# Altium PCB Kojiki.PcbDoc (part 1 of 2) (continued)
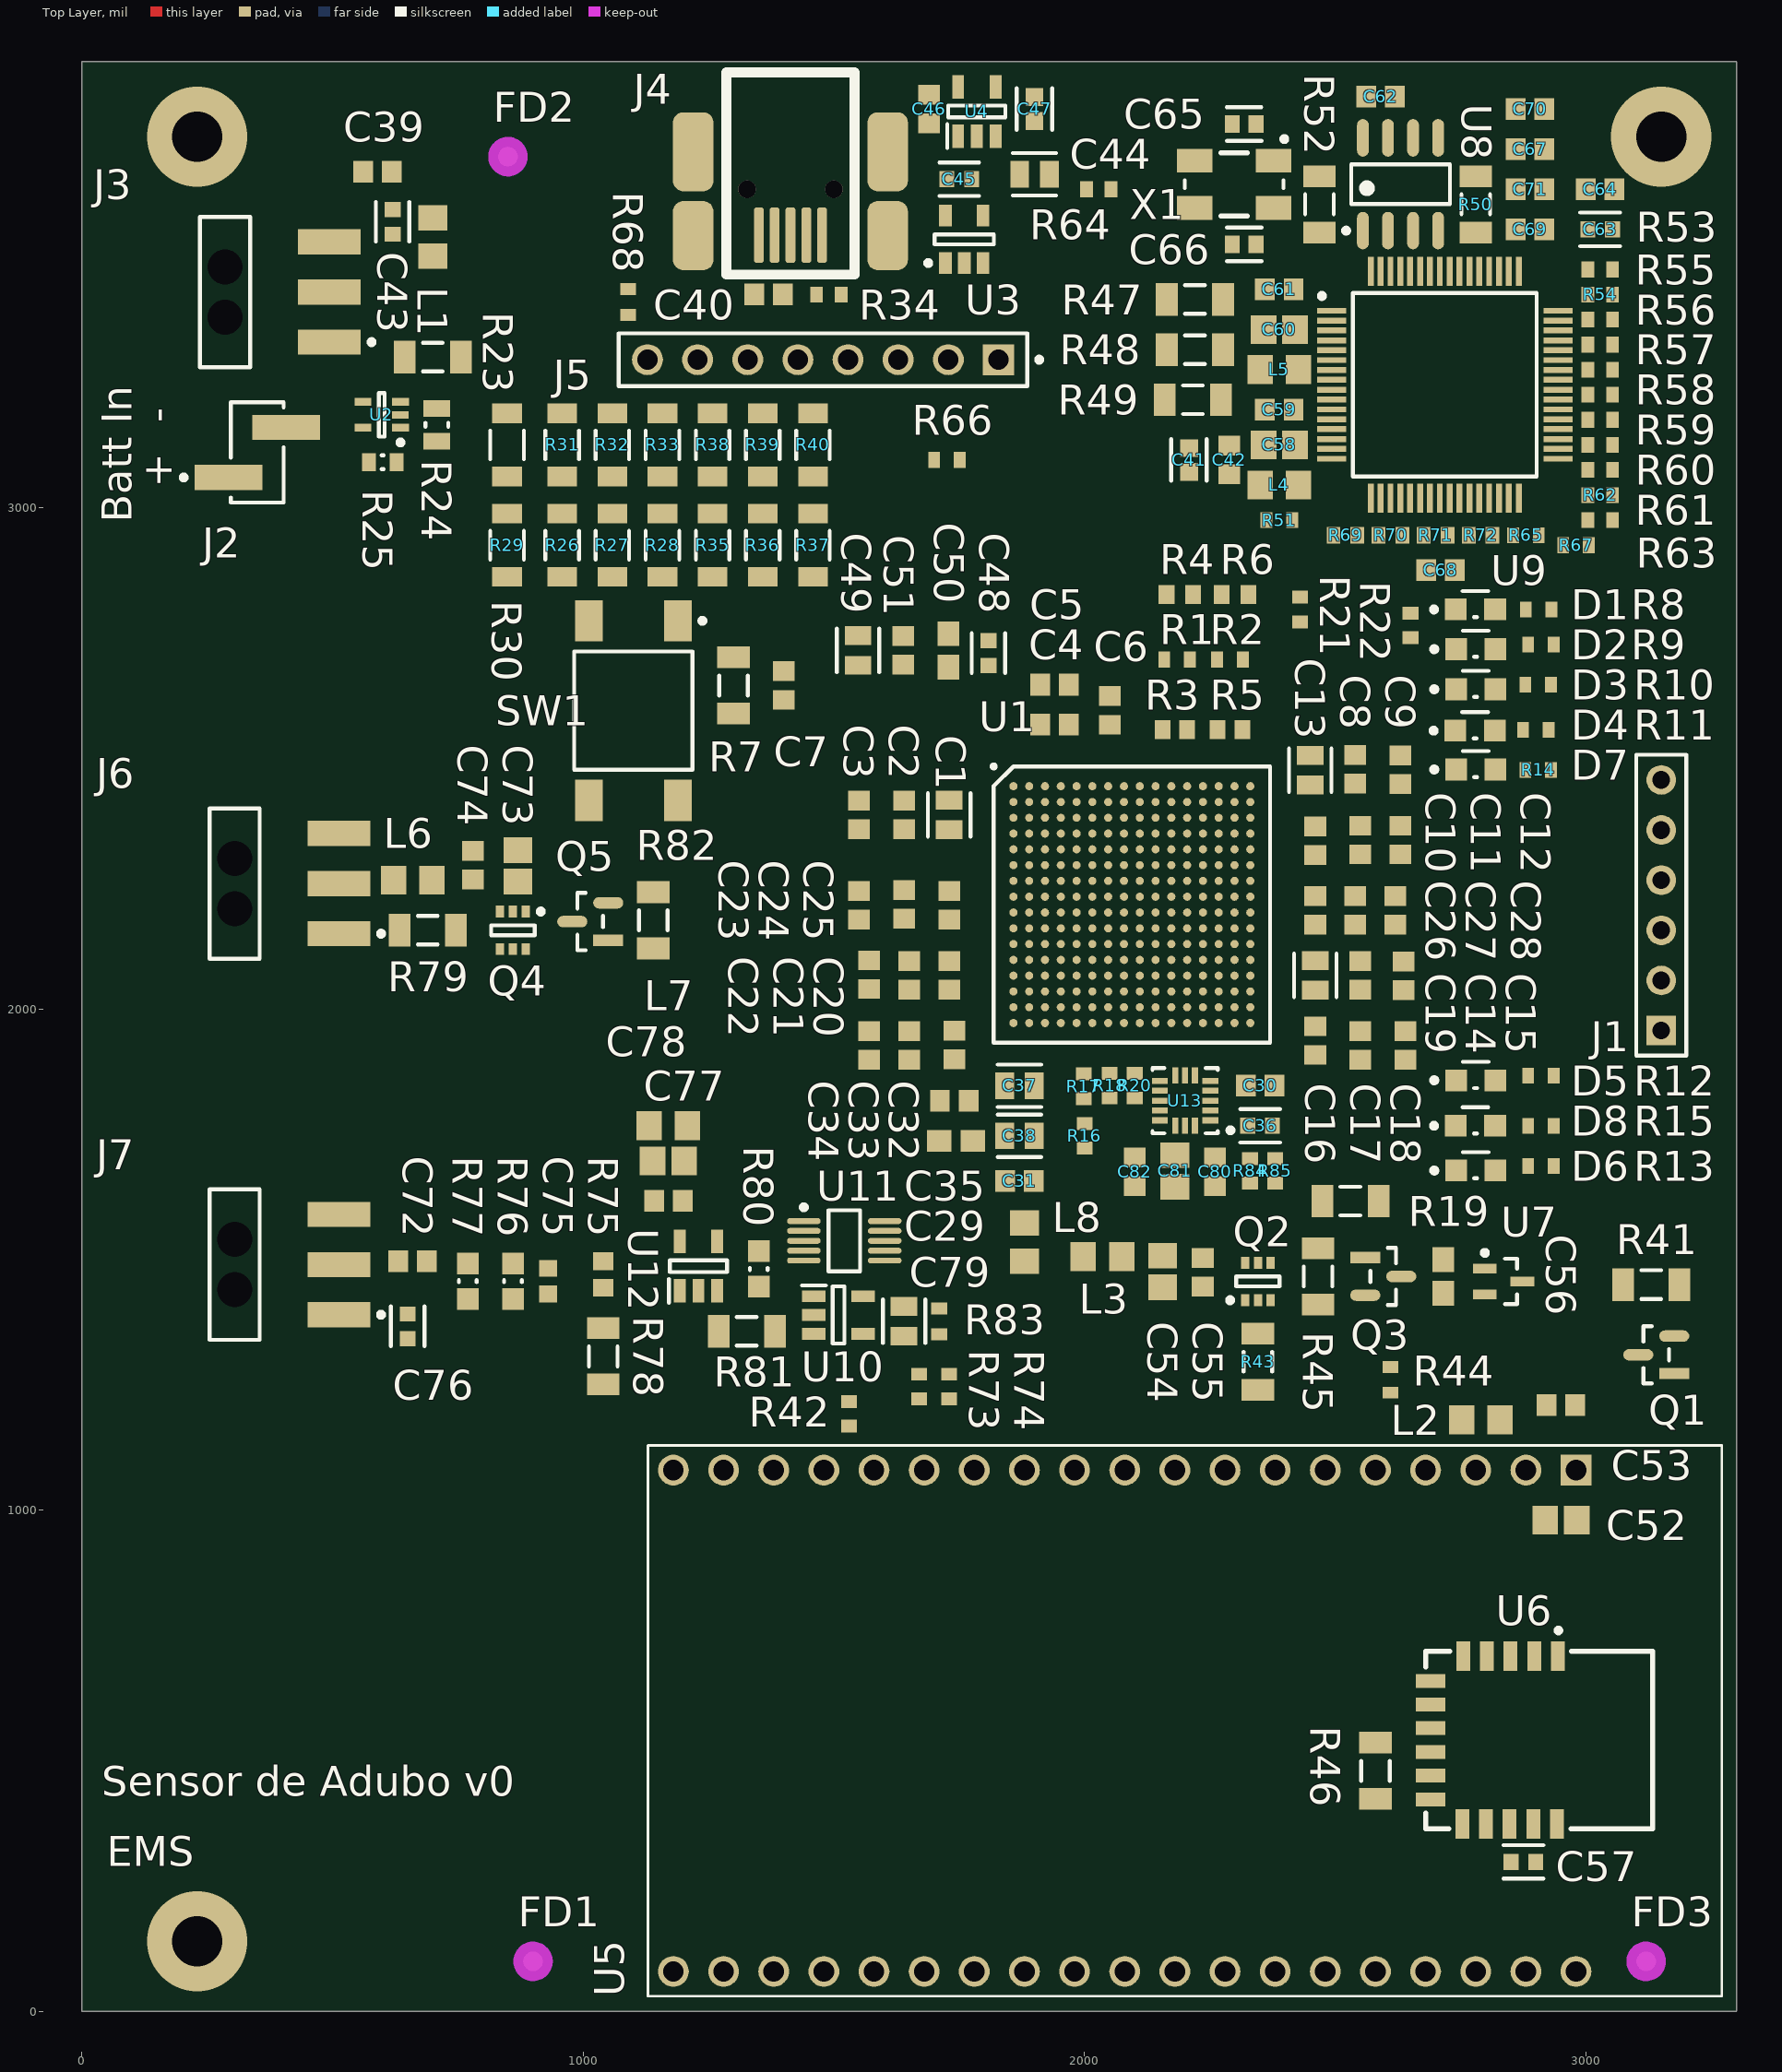
[diagram p0: Top Layer view]
## Classes and differential pairs
differential pair class USB: D
component class usb2jtag: C58 C59 C60 C61 C62 C63 C64 C65 C66 C67 C68 C69 C70 C71 J5 L4 L5 R47 R48 R49 R50 R51 R52 R53 R54 R55 R56 R57 R58 R59 R60 R61 R62 R63 R64 R65 R66 R67 R68 R69 R70 R71 R72 U8 U9 X1
component class Power_Decap: C29 C30 C31 C32 C33 C34 C35 C36 C37 C38
component class DC-DC-Converters: C39 C40 C41 C42 C43 C44 C45 C46 C47 C48 C49 C50 C51 J2 J3 J4 L1 R23 R24 R25 R26 R27 R28 R29 R30 R31 R32 R33 R34 R35 R36 R37 R38 R39 R40 TP30 TP31 TP32 TP33 TP34 TP35 TP36 TP37 TP38 TP39 U2 U3 U4
component class bluetooth: C52 C53 C54 C55 C56 C57 L2 L3 Q1 Q2 Q3 R41 R42 R43 R44 R45 R46 U5 U6 U7
component class Bank3-4-5_I_O: C20 C21 C22 C23 C24 C25 C26 C27 C28
component class Bank2_I_O: C14 C15 C16 C17 C18 C19 J1 R16 R17 R18 R19 R20 R21 R22 TP27 TP28 TP29
component class Bank1_I_O: C8 C9 C10 C11 C12 C13 D1 D2 D3 D4 D5 D6 D7 D8 R8 R9 R10 R11 R12 R13 R14 R15
component class Bank0_I_O: C1 C2 C3 C4 C5 C6 C7 R1 R2 R3 R4 R5 R6 R7 SW1 U1
component class analog_front_end: C72 C73 C74 C75 C76 C77 C78 C79 FD1 FD2 FD3 J6 J7 L6 L7 Q4 Q5 R73 R74 R75 R76 R77 R78 R79 R80 R81 R82 R83 U10 U11 U12
component class Accelerometer: C80 C81 C82 L8 R84 R85 U13
differential pair D: +D_P -D_N

## Components (designator, comment, footprint, x,y, rotation, side; value= is the part's Value field where it differs from the comment)
C1 "C0805C103K5RACAUTO" FP-C0805C-DN-MFG 1730,2386.77 r270 top value=10nF
C2 "C0603C104M4RACTU" CAPC1608X87X35ML15T15 1640,2386.77 r270 top value=0.1uF
C3 "C0603C104M4RACTU" CAPC1608X87X35ML15T15 1550,2386.77 r270 top value=0.1uF
C4 "C0603C104M4RACTU" CAPC1608X87X35ML15T15 1940,2566.77 r180 top value=0.1uF
C5 "C0603C104M4RACTU" CAPC1608X87X35ML15T15 1940,2646.77 r180 top value=0.1uF
C6 "C0603C104M4RACTU" CAPC1608X87X35ML15T15 2050,2595.31 r90 top value=0.1uF
C7 "C0603C104M4RACTU" CAPC1608X87X35ML15T15 1400,2645 r270 top value=0.1uF
C8 "C0603C104M4RACTU" CAPC1608X87X35ML15T15 2540,2478.23 r90 top value=0.1uF
C9 "C0603C104M4RACTU" CAPC1608X87X35ML15T15 2630,2476.77 r90 top value=0.1uF
C10 "C0603C104M4RACTU" CAPC1608X87X35ML15T15 2460,2335.31 r90 top value=0.1uF
C11 "C0603C104M4RACTU" CAPC1608X87X35ML15T15 2550,2336.77 r90 top value=0.1uF
C12 "C0603C104M4RACTU" CAPC1608X87X35ML15T15 2630,2336.77 r90 top value=0.1uF
C13 "C0805C103K5RACAUTO" FP-C0805C-DN-MFG 2450,2476.3 r90 top value=10nF
C14 "C0603C104M4RACTU" CAPC1608X87X35ML15T15 2550,2066.77 r90 top value=0.1uF
C15 "C0603C104M4RACTU" CAPC1608X87X35ML15T15 2636.42,2066.19 r90 top value=0.1uF
C16 "C0603C104M4RACTU" CAPC1608X87X35ML15T15 2460,1936.77 r270 top value=0.1uF
C17 "C0603C104M4RACTU" CAPC1608X87X35ML15T15 2550,1926.77 r270 top value=0.1uF
C18 "C0603C104M4RACTU" CAPC1608X87X35ML15T15 2640,1926.77 r270 top value=0.1uF
C19 "C0805C103K5RACAUTO" FP-C0805C-DN-MFG 2460,2066.77 r90 top value=10nF
C20 "C0603C104M4RACTU" CAPC1608X87X35ML15T15 1730,2066.77 r270 top value=0.1uF
C21 "C0603C104M4RACTU" CAPC1608X87X35ML15T15 1650,2066.77 r270 top value=0.1uF
C22 "C0603C104M4RACTU" CAPC1608X87X35ML15T15 1570,2068.23 r270 top value=0.1uF
C23 "C0603C104M4RACTU" CAPC1608X87X35ML15T15 1730,2206.77 r270 top value=0.1uF
C24 "C0603C104M4RACTU" CAPC1608X87X35ML15T15 1640,2208.23 r270 top value=0.1uF
C25 "C0603C104M4RACTU" CAPC1608X87X35ML15T15 1550,2206.77 r270 top value=0.1uF
C26 "C0603C104M4RACTU" CAPC1608X87X35ML15T15 2460,2196.77 r270 top value=0.1uF
C27 "C0603C104M4RACTU" CAPC1608X87X35ML15T15 2540,2196.77 r270 top value=0.1uF
C28 "C0603C104M4RACTU" CAPC1608X87X35ML15T15 2620,2196.77 r270 top value=0.1uF
C29 "C0603C105K8RACTU" CAPC1608X90X35ML15T15 1743.46,1736.77 r0 top value=1uF
C30 "C0603C104M4RACTU" CAPC1608X87X35ML15T15 2350,1846.77 r0 top value=0.1uF
C31 "C0603C104M4RACTU" CAPC1608X87X35ML15T15 1870,1656.77 r0 top value=0.1uF
C32 "C0603C104M4RACTU" CAPC1608X87X35ML15T15 1740,1928.23 r270 top value=0.1uF
C33 "C0603C104M4RACTU" CAPC1608X87X35ML15T15 1650,1926.77 r270 top value=0.1uF
C34 "C0603C104M4RACTU" CAPC1608X87X35ML15T15 1570,1926.77 r270 top value=0.1uF
C35 "C0603C104M4RACTU" CAPC1608X87X35ML15T15 1740,1816.77 r180 top value=0.1uF
C36 "CL10A106MQ8NNNC" FP-CL10-IPC_C 2350,1766.77 r180 top value=10uF
C37 "C0805C103K5RACAUTO" FP-C0805C-DN-MFG 1870,1846.77 r0 top value=10nF
C38 "C0805C103K5RACAUTO" FP-C0805C-DN-MFG 1870,1746.77 r0 top value=10nF
C39 "C0603C104M4RACTU" CAPC1608X87X35ML15T15 590,3670 r180 top value=0.1uF
C40 "C0603C104M4RACTU" CAPC1608X87X35ML15T15 1370,3425 r0 top value=0.1uF
C41 "GRM188R61A226ME15D" FP-GRM188-0_2-IPC_C 2208.23,3095 r90 top value=22uF
C42 "C0603C104M4RACTU" CAPC1608X87X35ML15T15 2288.23,3095 r90 top value=0.1uF
C43 "CL10A106MQ8NNNC" FP-CL10-IPC_C 620,3570 r90 top value=10uF
C44 "C0805C103K5RACAUTO" FP-C0805C-DN-MFG 1900,3665 r0 top value=10nF
C45 "CL10A106MQ8NNNC" FP-CL10-IPC_C 1750,3655 r180 top value=10uF
C46 "C0603C104M4RACTU" CAPC1608X87X35ML15T15 1690,3795 r270 top value=0.1uF
C47 "GRM188R61A226ME15D" FP-GRM188-0_2-IPC_C 1900,3795 r270 top value=22uF
C48 "CL10A106MQ8NNNC" FP-CL10-IPC_C 1808.23,2709.68 r270 top value=10uF
C49 "C0805C103K5RACAUTO" FP-C0805C-DN-MFG 1548.23,2715 r90 top value=10nF
C50 "C0603C105K8RACTU" CAPC1608X90X35ML15T15 1728.23,2715 r270 top value=1uF
C51 "C0603C104M4RACTU" CAPC1608X87X35ML15T15 1638.23,2715 r90 top value=0.1uF
C52 "C0805C475K9PACTU" CAPC2013X145X50NL20T25 2950,980 r0 top value=4.7uF
C53 "C0603C104M4RACTU" CAPC1608X87X35ML15T15 2950,1210 r0 top value=0.1uF
C54 "C0805C475K9PACTU" CAPC2013X145X50NL20T25 2155.59,1476.26 r90 top value=4.7uF
C55 "C0603C104M4RACTU" CAPC1608X87X35ML15T15 2235.59,1474.8 r90 top value=0.1uF
C56 "C0603C105K8RACTU" CAPC1608X90X35ML15T15 2715.59,1466.26 r270 top value=1uF
C57 "CL10A106MQ8NNNC" FP-CL10-IPC_C 2875,298.54 r180 top value=10uF
C58 "C0805C475K9PACTU" CAPC2013X145X50NL20T25 2388.23,3125 r0 top value=4.7uF
C59 "C0603C104M4RACTU" CAPC1608X87X35ML15T15 2388.23,3195 r0 top value=0.1uF
C60 "C0805C475K9PACTU" CAPC2013X145X50NL20T25 2388.23,3355 r0 top value=4.7uF
C61 "C0603C104M4RACTU" CAPC1608X87X35ML15T15 2388.23,3435 r0 top value=0.1uF
C62 "C0603C104M4RACTU" CAPC1608X87X35ML15T15 2590,3820 r180 top value=0.1uF
C63 "CL10A106MQ8NNNC" FP-CL10-IPC_C 3028.23,3555 r0 top value=10uF
C64 "C0603C104M4RACTU" CAPC1608X87X35ML15T15 3028.23,3635 r180 top value=0.1uF
C65 "C0603C180J3GACAUTO" FP-C0603C-CF-MFG 2318.23,3765 r180 top value="18 pF"
C66 "C0603C180J3GACAUTO" FP-C0603C-CF-MFG 2318.23,3525 r0 top value="18 pF"
C67 "C0603C104M4RACTU" CAPC1608X87X35ML15T15 2888.23,3715 r180 top value=0.1uF
C68 "C0603C104M4RACTU" CAPC1608X87X35ML15T15 2710,2875 r180 top value=0.1uF
C69 "C0603C104M4RACTU" CAPC1608X87X35ML15T15 2888.23,3555 r180 top value=0.1uF
C70 "C0603C104M4RACTU" CAPC1608X87X35ML15T15 2888.23,3795 r180 top value=0.1uF
C71 "C0603C104M4RACTU" CAPC1608X87X35ML15T15 2888.23,3635 r180 top value=0.1uF
C72 "C0603C104M4RACTU" CAPC1608X87X35ML15T15 660,1496.77 r0 top value=0.1uF
C73 "C0805C475K9PACTU" CAPC2013X145X50NL20T25 870,2285.28 r270 top value=4.7uF
C74 "C0603C104M4RACTU" CAPC1608X87X35ML15T15 780,2286.77 r270 top value=0.1uF
C75 "06035C102KAT2A" CAPC1608X90X35LL15T15 930,1456.77 r270 top value=1nF
C76 "CL10A106MQ8NNNC" FP-CL10-IPC_C 650,1366.77 r90 top value=10uF
C77 "C0603C104M4RACTU" CAPC1608X87X35ML15T15 1170,1616.77 r0 top value=0.1uF
C78 "C0805C475K9PACTU" CAPC2013X145X50NL20T25 1170,1696.77 r0 top value=4.7uF
C79 "C0805C103K5RACAUTO" FP-C0805C-DN-MFG 1640,1376.77 r90 top value=10nF
C80 "C0603C104M4RACTU" CAPC1608X87X35ML15T15 2260,1675.31 r90 top value=0.1uF
C81 "C0805C475K9PACTU" CAPC2013X145X50NL20T25 2180,1676.77 r90 top value=4.7uF
C82 "C0603C104M4RACTU" CAPC1608X87X35ML15T15 2100,1675.31 r90 top value=0.1uF
D1 "LTST-S270KSKT" FP-LTST-S270KSKT-MFG 2779.37,2806.02 r0 top
D2 "LTST-S270KSKT" FP-LTST-S270KSKT-MFG 2780,2726.77 r0 top
D3 "LTST-S270KSKT" FP-LTST-S270KSKT-MFG 2780,2646.77 r0 top
D4 "LTST-S270KSKT" FP-LTST-S270KSKT-MFG 2778.69,2564.26 r0 top
D5 "LTST-S270KSKT" FP-LTST-S270KSKT-MFG 2780,1866.77 r0 top
D6 "LTST-S270KSKT" FP-LTST-S270KSKT-MFG 2780,1686.77 r0 top
D7 "LTST-S270KSKT" FP-LTST-S270KSKT-MFG 2780,2486.77 r0 top
D8 "LTST-S270KSKT" FP-LTST-S270KSKT-MFG 2779.37,1776.02 r0 top
FD1 "FID1X2R" FID1X2R 900,100 r0 top
FD2 "FID1X2R" FID1X2R 850,3700 r90 top
FD3 "FID1X2R" FID1X2R 3120,100 r90 top
J1 "Header 6" HDR1X6 3150,1956.77 r90 top
J2 "TSM-102-01-T-SV-TR" FP-TSM-102-01-T-SV-TR-MFG 350,3110 r90 top
J3 "TSM-103-01-F-SH" SMTC-TSM-103-01-X-SH-A 281.18,3430 r90 top
J4 "67503-1020" MOLX-67503-1020_V 1476.38,3543.47 r270 top
J5 "TSW-108-08-G-S" FP-TSW-108-08-G-S-MFG 1478.23,3295 r180 top
J6 "TSM-103-01-F-SH" SMTC-TSM-103-01-X-SH-A 300,2250 r90 top
J7 "TSM-103-01-F-SH" SMTC-TSM-103-01-X-SH-A 300,1490 r90 top
L1 "HZ0805E601R-10" LIRD-LI0805H151R-10-2_V 700,3540 r90 top
L2 "HZ0805E601R-10" LIRD-LI0805H151R-10-2_V 2790,1180 r0 top
L3 "HZ0805E601R-10" LIRD-LI0805H151R-10-2_V 2035.59,1506.26 r0 top
L4 "HZ0805E601R-10" LIRD-LI0805H151R-10-2_V 2388.23,3045 r0 top
L5 "HZ0805E601R-10" LIRD-LI0805H151R-10-2_V 2388.23,3275 r0 top
L6 "HZ0805E601R-10" LIRD-LI0805H151R-10-2_V 660,2256.77 r0 top
L7 "HZ0805E601R-10" LIRD-LI0805H151R-10-2_V 1170,1766.77 r0 top
L8 "HZ0805E601R-10" LIRD-LI0805H151R-10-2_V 1880,1535.06 r90 top
Q1 "BSS138" FP-318-08-IPC_B 3140,1310 r180 top
Q2 "BSS84DW-7-F" DIOD-SOT363-6_V 2345.59,1456.26 r90 top
Q3 "BSS138" FP-318-08-IPC_B 2595.59,1466.26 r0 top
Q4 "BSS84DW-7-F" DIOD-SOT363-6_V 860,2156.77 r270 top
Q5 "BSS138" FP-318-08-IPC_B 1014.17,2174.17 r180 top
R1 "RC0603FR-072K2L" RESC1608X55X25LL10T15 2184.41,2696.77 r180 top value=2.2k
R2 "RC0603FR-072K2L" RESC1608X55X25LL10T15 2290,2696.77 r180 top value=2.2k
R3 "CRCW060350R0FKEA" RESC1609X50X30NL10T20 2180,2556.77 r0 top value=50
R4 "ERJ-3EKF1500V" RESC1608X55X30NL15T15 2190,2826.77 r0 top value=150
R5 "CRCW060350R0FKEA" RESC1609X50X30NL10T20 2290,2556.77 r0 top value=50
R6 "ERJ-3EKF1500V" RESC1608X55X30NL15T15 2300,2826.77 r0 top value=150
R7 "ERJ-8GEYJ103V" RESC3216X70X50NL05T20 1300,2645 r90 top value=10k
R8 "RC0603FR-072K2L" RESC1608X55X25LL10T15 2905.59,2796.77 r0 top value=2.2k
R9 "RC0603FR-072K2L" RESC1608X55X25LL10T15 2910,2726.77 r0 top value=2.2k
R10 "RC0603FR-072K2L" RESC1608X55X25LL10T15 2904.41,2646.77 r0 top value=2.2k
R11 "RC0603FR-072K2L" RESC1608X55X25LL10T15 2900,2556.77 r0 top value=2.2k
R12 "RC0603FR-072K2L" RESC1608X55X25LL10T15 2910,1866.77 r0 top value=2.2k
R13 "RC0603FR-072K2L" RESC1608X55X25LL10T15 2910,1686.77 r0 top value=2.2k
R14 "RC0603FR-072K2L" RESC1608X55X25LL10T15 2904.41,2476.77 r0 top value=2.2k
R15 "RC0603FR-072K2L" RESC1608X55X25LL10T15 2910,1766.77 r0 top value=2.2k
R16 "RC1608J000CS" RESC1608X55X35LL10T10 2000,1746.77 r90 top value=0.0
R17 "RC1608J000CS" RESC1608X55X35LL10T10 1998.24,1845.52 r90 top value=0.0
R18 "RC1608J000CS" RESC1608X55X35LL10T10 2050,1846.77 r90 top value=0.0
R19 "ERJ-8GEYJ103V" RESC3216X70X50NL05T20 2530,1616.77 r180 top value=10k
R20 "RC1608J000CS" RESC1608X55X35LL10T10 2100,1846.77 r90 top value=0.0
R21 "RC1608J000CS" RESC1608X55X35LL10T10 2430,2796.77 r90 top value=0.0
R22 "RC1608J000CS" RESC1608X55X35LL10T10 2650,2765 r90 top value=0.0
R23 "ERJ-8GEYJ103V" RESC3216X70X50NL05T20 700,3300 r180 top value=10k
R24 "CRCW08053M30FKEA" RESC2013X50X30LL20T20 708.23,3165 r90 top value=3.3M
R25 "6M8 5% 0603(1608)" RESC0603(1608)_L 600.28,3090.61 r0 top value=6.8M
R26 "RC1206JR-070RL" FP-RC1206-MFG 958.23,2925 r90 top value=0
R27 "RC1206JR-070RL" FP-RC1206-MFG 1058.23,2925 r90 top value=0
R28 "RC1206JR-070RL" FP-RC1206-MFG 1158.23,2925 r90 top value=0
R29 "RC1206JR-070RL" FP-RC1206-MFG 848.23,2925 r90 top value=0
R30 "RC1206JR-070RL" FP-RC1206-MFG 848.23,3125 r270 top value=0
R31 "RC1206JR-070RL" FP-RC1206-MFG 958.23,3125 r270 top value=0
R32 "RC1206JR-070RL" FP-RC1206-MFG 1058.23,3125 r270 top value=0
R33 "RC1206JR-070RL" FP-RC1206-MFG 1158.23,3125 r270 top value=0
R34 "RC1608J000CS" RESC1608X55X35LL10T10 1490,3425 r0 top value=0.0
R35 "RC1206JR-070RL" FP-RC1206-MFG 1258.23,2925 r90 top value=0
R36 "RC1206JR-070RL" FP-RC1206-MFG 1358.23,2925 r90 top value=0
R37 "RC1206JR-070RL" FP-RC1206-MFG 1458.23,2925 r90 top value=0
R38 "RC1206JR-070RL" FP-RC1206-MFG 1258.23,3125 r270 top value=0
R39 "RC1206JR-070RL" FP-RC1206-MFG 1358.23,3125 r270 top value=0
R40 "RC1206JR-070RL" FP-RC1206-MFG 1458.23,3125 r270 top value=0
R41 "ERJ-8GEYJ103V" RESC3216X70X50NL05T20 3130,1450 r0 top value=10k
R42 "RC1608J000CS" RESC1608X55X35LL10T10 1530,1192.17 r90 top value=0.0
R43 "ERJ-8GEYJ103V" RESC3216X70X50NL05T20 2345.59,1296.26 r90 top value=10k
R44 "RC0603FR-074K7L" RESC1608X55X25LL10T15 2610,1260 r270 top value=4.7k
R45 "ERJ-8GEYJ103V" RESC3216X70X50NL05T20 2465.59,1466.26 r270 top value=10k
R46 "ERJ-8GEYJ103V" RESC3216X70X50NL05T20 2580,480 r90 top value=10k
R47 "ERJ-8GEYJ103V" RESC3216X70X50NL05T20 2220,3415 r180 top value=10k
R48 "ERJ-8GEYJ103V" RESC3216X70X50NL05T20 2220,3315 r180 top value=10k
R49 "ERJ-8GEYJ103V" RESC3216X70X50NL05T20 2216.1,3215 r180 top value=10k
R50 "ERJ-8GEYJ103V" RESC3216X70X50NL05T20 2780,3605 r90 top value=10k
R51 "RC0603FR-072K2L" RESC1608X55X25LL10T15 2388.23,2975 r0 top value=2.2k
R52 "ERJ-8GEYJ103V" RESC3216X70X50NL05T20 2468.23,3605 r90 top value=10k
R53 "RC1608J000CS" RESC1608X55X35LL10T10 3028.23,3475 r0 top value=0.0
R54 "RC1608J000CS" RESC1608X55X35LL10T10 3028.23,3425 r0 top value=0.0
R55 "RC1608J000CS" RESC1608X55X35LL10T10 3028.23,3375 r0 top value=0.0
R56 "RC1608J000CS" RESC1608X55X35LL10T10 3028.23,3325 r0 top value=0.0
R57 "RC1608J000CS" RESC1608X55X35LL10T10 3028.23,3275 r0 top value=0.0
R58 "RC1608J000CS" RESC1608X55X35LL10T10 3028.23,3225 r0 top value=0.0
R59 "RC1608J000CS" RESC1608X55X35LL10T10 3028.23,3175 r0 top value=0.0
R60 "RC1608J000CS" RESC1608X55X35LL10T10 3028.23,3125 r0 top value=0.0
R61 "RC1608J000CS" RESC1608X55X35LL10T10 3028.23,3075 r180 top value=0.0
R62 "RC1608J000CS" RESC1608X55X35LL10T10 3028.23,3025 r0 top value=0.0
R63 "RC1608J000CS" RESC1608X55X35LL10T10 3028.23,2975 r180 top value=0.0
R64 "RC1608J000CS" RESC1608X55X35LL10T10 2028.23,3635 r0 top value=0.0
R65 "RC0603FR-074K7L" RESC1608X55X25LL10T15 2880,2945 r0 top value=4.7k
R66 "RC0603FR-074K7L" RESC1608X55X25LL10T15 1725.59,3095 r0 top value=4.7k
R67 "RC0603FR-074K7L" RESC1608X55X25LL10T15 2980,2925 r0 top value=4.7k
R68 "RC0603FR-072K2L" RESC1608X55X25LL10T15 1090,3410 r90 top value=2.2k
R69 "CRCW06034K70FKEA" RESC1609X50X30LL8T20 2520,2945 r180 top value=0
R70 "CRCW06034K70FKEA" RESC1609X50X30LL8T20 2610,2945 r180 top value=0
R71 "CRCW06034K70FKEA" RESC1609X50X30LL8T20 2700,2945 r180 top value=0
R72 "CRCW06034K70FKEA" RESC1609X50X30LL8T20 2790,2945 r180 top value=0
R73 "RC1608J000CS" RESC1608X55X35LL10T10 1670,1246.77 r90 top value=0.0
R74 "RC1608J000CS" RESC1608X55X35LL10T10 1730,1246.77 r90 top value=0.0
R75 "CRCW06032M70JNEA" RESC1609X50X30ML10T20 1040,1470.2 r90 top value=2.7M
R76 "330K 1% 0603(1608)" RESC0603(1608)_M 860,1456.77 r90 top value=330k
R77 "330K 1% 0603(1608)" RESC0603(1608)_M 770,1456.77 r90 top value=330k
R78 "ERJ-8GEYJ103V" RESC3216X70X50NL05T20 1040,1306.77 r270 top value=10k
R79 "ERJ-8GEYJ103V" RESC3216X70X50NL05T20 690,2156.77 r0 top value=10k
R80 "330K 1% 0603(1608)" RESC0603(1608)_M 1350,1481.34 r270 top value=330k
R81 "ERJ-8GEYJ103V" RESC3216X70X50NL05T20 1326.1,1356.77 r0 top value=10k
R82 "ERJ-8GEYJ103V" RESC3216X70X50NL05T20 1140,2176.77 r90 top value=10k
R83 "RC0603FR-072K2L" RESC1608X55X25LL10T15 1710,1376.77 r270 top value=2.2k
R84 "RC1608J000CS" RESC1608X55X35LL10T10 2330,1676.77 r90 top value=0.0
R85 "RC1608J000CS" RESC1608X55X35LL10T10 2380,1676.77 r90 top value=0.0
SW1 "FSM4JSMATR" TECO-FSM4JSMATR_V 1100,2595 r0 top
U1 "LCMXO3L-6900C-5BG256C" BGA256C80P16X16_1400X1400X170 2094.25,2208.03 r0 top
U2 "MAX6776XKC+T" X5+1_N 598.23,3185 r180 top
U3 "LD3985M33R" SOT23-5L_N 1760,3535 r90 top
U4 "TLV73312PDBVT" SOT95P280X145-5N 1785,3790 r90 top
U5 "ESP32-DEVKITC-32D" MODULE_ESP32-DEVKITC-32D 2202.05,580 r270 top
U6 "BM71BLES1FC2-0B04AA" BM71BLES1FC2_1 2680.16,364.21 r270 top
U7 "MCP111T-270E/LB" SC70-LB3_N 2835.59,1456.26 r0 top
U8 "93LC56C-I/SN" SOIC-SN8_L 2630,3645 r90 top
U9 "FT2232HL" QFP50P1200X1200X160-64N 2718.23,3245 r0 top locked
U10 "MAX4466EXK" SOT95P280X145-5N 1509.21,1389.37 r0 top
U11 "ADS1015IDGSR" TI-DGS10_N 1520.71,1537.4 r0 top
U12 "MAX4466EXK" SOT95P280X145-5N 1230,1486.77 r90 top
U13 "MMA8452QR1" FREE-QFN-16_V 2200.31,1816.97 r180 top
X1 "ABM3B-12.000MHZ-B2-T" ABRA-ABM3B-4_V 2298.23,3645 r180 top

## Footprints (in the part's own frame and the unit in brackets; to place one, negate y for a bottom-side part, rotate by r counter-clockwise, add the part's x,y. Pads: shape width x height; smd on the part's side, far side on the other; paste and mask are expansions set on the pad)
ABRA-ABM3B-4_V [mm] "SMD, 4-Leads, Body 5x3.2mm"
  rect 1.8x1.2 smd: 1(-2,-1.2) 2(2,-1.2) 3(2,1.2) 4(-2,1.2)
  silkscreen extent -2.67,-2.41 2.5,1.6, body extent -2.5,-1.59 2.5,1.59, height 1.13
BGA256C80P16X16_1400X1400X170 [mm]
  round 0.41 smd: A1(-6,6) A2(-5.2,6) A3(-4.4,6) A4(-3.6,6) A5(-2.8,6) A6(-2,6) A7(-1.2,6) A8(-0.4,6) A9(0.4,6) A10(1.2,6) A11(2,6) A12(2.8,6) A13(3.6,6) A14(4.4,6) A15(5.2,6) A16(6,6) B1(-6,5.2) B2(-5.2,5.2) B3(-4.4,5.2) B4(-3.6,5.2) B5(-2.8,5.2) B6(-2,5.2) B7(-1.2,5.2) B8(-0.4,5.2) B9(0.4,5.2) B10(1.2,5.2) B11(2,5.2) B12(2.8,5.2) B13(3.6,5.2) B14(4.4,5.2) B15(5.2,5.2) B16(6,5.2) C1(-6,4.4) C2(-5.2,4.4) C3(-4.4,4.4) C4(-3.6,4.4) C5(-2.8,4.4) C6(-2,4.4) C7(-1.2,4.4) C8(-0.4,4.4) C9(0.4,4.4) C10(1.2,4.4) C11(2,4.4) C12(2.8,4.4) C13(3.6,4.4) C14(4.4,4.4) C15(5.2,4.4) C16(6,4.4) D1(-6,3.6) D2(-5.2,3.6) D3(-4.4,3.6) D4(-3.6,3.6) D5(-2.8,3.6) D6(-2,3.6) D7(-1.2,3.6) D8(-0.4,3.6) D9(0.4,3.6) D10(1.2,3.6) D11(2,3.6) D12(2.8,3.6) D13(3.6,3.6) D14(4.4,3.6) D15(5.2,3.6) D16(6,3.6) E1(-6,2.8) E2(-5.2,2.8) E3(-4.4,2.8) E4(-3.6,2.8) E5(-2.8,2.8) E6(-2,2.8) E7(-1.2,2.8) E8(-0.4,2.8) E9(0.4,2.8) E10(1.2,2.8) E11(2,2.8) E12(2.8,2.8) E13(3.6,2.8) E14(4.4,2.8) E15(5.2,2.8) E16(6,2.8) F1(-6,2) F2(-5.2,2) F3(-4.4,2) F4(-3.6,2) F5(-2.8,2) F6(-2,2) F7(-1.2,2) F8(-0.4,2) F9(0.4,2) F10(1.2,2) F11(2,2) F12(2.8,2) F13(3.6,2) F14(4.4,2) F15(5.2,2) F16(6,2) G1(-6,1.2) G2(-5.2,1.2) G3(-4.4,1.2) G4(-3.6,1.2) G5(-2.8,1.2) G6(-2,1.2) G7(-1.2,1.2) G8(-0.4,1.2) G9(0.4,1.2) G10(1.2,1.2) G11(2,1.2) G12(2.8,1.2) G13(3.6,1.2) G14(4.4,1.2) G15(5.2,1.2) G16(6,1.2) H1(-6,0.4) H2(-5.2,0.4) H3(-4.4,0.4) H4(-3.6,0.4) H5(-2.8,0.4) H6(-2,0.4) H7(-1.2,0.4) H8(-0.4,0.4) H9(0.4,0.4) H10(1.2,0.4) H11(2,0.4) H12(2.8,0.4) H13(3.6,0.4) H14(4.4,0.4) H15(5.2,0.4) H16(6,0.4) J1(-6,-0.4) J2(-5.2,-0.4) J3(-4.4,-0.4) J4(-3.6,-0.4) J5(-2.8,-0.4) J6(-2,-0.4) J7(-1.2,-0.4) J8(-0.4,-0.4) J9(0.4,-0.4) J10(1.2,-0.4) J11(2,-0.4) J12(2.8,-0.4) J13(3.6,-0.4) J14(4.4,-0.4) J15(5.2,-0.4) J16(6,-0.4) K1(-6,-1.2) K2(-5.2,-1.2) K3(-4.4,-1.2) K4(-3.6,-1.2) K5(-2.8,-1.2) K6(-2,-1.2) K7(-1.2,-1.2) K8(-0.4,-1.2) K9(0.4,-1.2) K10(1.2,-1.2) K11(2,-1.2) K12(2.8,-1.2) K13(3.6,-1.2) K14(4.4,-1.2) K15(5.2,-1.2) K16(6,-1.2) L1(-6,-2) L2(-5.2,-2) L3(-4.4,-2) L4(-3.6,-2) L5(-2.8,-2) L6(-2,-2) L7(-1.2,-2) L8(-0.4,-2) L9(0.4,-2) L10(1.2,-2) L11(2,-2) L12(2.8,-2) L13(3.6,-2) L14(4.4,-2) L15(5.2,-2) L16(6,-2) M1(-6,-2.8) M2(-5.2,-2.8) M3(-4.4,-2.8) M4(-3.6,-2.8) M5(-2.8,-2.8) M6(-2,-2.8) M7(-1.2,-2.8) M8(-0.4,-2.8) M9(0.4,-2.8) M10(1.2,-2.8) M11(2,-2.8) M12(2.8,-2.8) M13(3.6,-2.8) M14(4.4,-2.8) M15(5.2,-2.8) M16(6,-2.8) N1(-6,-3.6) N2(-5.2,-3.6) N3(-4.4,-3.6) N4(-3.6,-3.6) N5(-2.8,-3.6) N6(-2,-3.6) N7(-1.2,-3.6) N8(-0.4,-3.6) N9(0.4,-3.6) N10(1.2,-3.6) N11(2,-3.6) N12(2.8,-3.6) N13(3.6,-3.6) N14(4.4,-3.6) N15(5.2,-3.6) N16(6,-3.6) P1(-6,-4.4) P2(-5.2,-4.4) P3(-4.4,-4.4) P4(-3.6,-4.4) P5(-2.8,-4.4) P6(-2,-4.4) P7(-1.2,-4.4) P8(-0.4,-4.4) P9(0.4,-4.4) P10(1.2,-4.4) P11(2,-4.4) P12(2.8,-4.4) P13(3.6,-4.4) P14(4.4,-4.4) P15(5.2,-4.4) P16(6,-4.4) R1(-6,-5.2) R2(-5.2,-5.2) R3(-4.4,-5.2) R4(-3.6,-5.2) R5(-2.8,-5.2) R6(-2,-5.2) R7(-1.2,-5.2) R8(-0.4,-5.2) R9(0.4,-5.2) R10(1.2,-5.2) R11(2,-5.2) R12(2.8,-5.2) R13(3.6,-5.2) R14(4.4,-5.2) R15(5.2,-5.2) R16(6,-5.2) T1(-6,-6) T2(-5.2,-6) T3(-4.4,-6) T4(-3.6,-6) T5(-2.8,-6) T6(-2,-6) T7(-1.2,-6) T8(-0.4,-6) T9(0.4,-6) T10(1.2,-6) T11(2,-6) T12(2.8,-6) T13(3.6,-6) T14(4.4,-6) T15(5.2,-6) T16(6,-6)
  silkscreen extent -7.1,-7 7,7.1, body extent -7,-7 7,7, height 1.7
BM71BLES1FC2_1 [mm]
  rect 1.5x0.7 smd: 1(-8.75,6.7) 2(-8.75,5.5) 3(-8.75,4.3) 4(-8.75,3.1) 5(-8.75,1.9) 12(-0.25,1.85) 13(-0.25,3.05) 14(-0.25,4.25) 15(-0.25,5.45) 16(-0.25,6.65)
  rect 0.7x1.5 smd: 6(-7.5,0.25) 7(-6.3,0.25) 8(-5.1,0.25) 9(-3.9,0.25) 10(-2.7,0.25) 11(-1.5,0.25)
  silkscreen extent -10.17,0 0,11.5, body extent -9.02,0 -0.02,11.5, height 2.1
CAPC1608X87X35ML15T15 [mm] "Chip Capacitor, 2-Leads, Body 1.60x0.80mm, IPC Low Density"
  rect 1x1.1 smd: 1(-0.725,0) 2(0.725,0)
  body extent -0.87,-0.48 0.87,0.47, height 0.87
CAPC1608X90X35LL15T15 [mm] "Chip Capacitor, 2-Leads, Body 1.60x0.81mm, IPC High Density"
  rect 0.85x0.9 smd: 1(-0.65,0) 2(0.65,0)
  body extent -0.88,-0.48 0.87,0.48, height 0.9
CAPC1608X90X35ML15T15 [mm] "Chip Capacitor, 2-Leads, Body 1.60x0.81mm, IPC Low Density"
  rect 1.25x1.1 smd: 1(-0.85,0) 2(0.85,0)
  body extent -0.88,-0.48 0.87,0.48, height 0.9
CAPC2013X145X50NL20T25 [mm] "Chip Capacitor, 2-Leads, Body 2.00x1.25mm, IPC Medium Density"
  rect 1.3x1.45 smd: 1(-0.8,0) 2(0.8,0)
  body extent -1.1,-0.72 1.1,0.72, height 1.45
DIOD-SOT363-6_V [mm] "SOT23, 6-Leads, Body 1.35x2.20mm, Pitch 0.65mm"
  rect 0.6x0.42 smd: 1(-0.95,0.65) 2(-0.95,0) 3(-0.95,-0.65) 4(0.95,-0.65) 5(0.95,0) 6(0.95,0.65)
  silkscreen extent -1.07,-1.1 0.25,1.53, body extent -1.1,-1.1 1.1,1.1, height 1.07
FID1X2R [mm] "Fiducial - Round 1x2mm"
  round 1 smd paste-0.5 mask+0.5: 0(0,0)
  Top Layer keep-out circle w1: c0,0 r0.5
  Top Layer keep-out region: 0,0
FP-318-08-IPC_B [mm]
  rect 1.524x0.578 smd: 1(-0.91,0.95)
  rrect100% 1.524x0.578 smd: 2(-0.91,-0.95) 3(0.91,0)
  silkscreen extent -0.65,-1.45 0.65,1.45, body extent -1.92,-1.7 1.92,1.7, height 0.25
FP-C0603C-CF-MFG [mm]
  rect 0.75x0.9 smd: 1(-0.6,0) 2(0.6,0)
  silkscreen extent -0.87,-0.85 0.88,0.85, body extent -1.2,-0.6 1.2,0.6, height 0.25
FP-C0805C-DN-MFG [mm]
  rect 0.95x1.35 smd: 1(-0.75,0) 2(0.75,0)
  silkscreen extent -1.1,-1.07 1.1,1.07, body extent -1.4,-0.85 1.4,0.85, height 0.25
FP-CL10-IPC_C [mil]
  rect 29.85x31.97 smd: 1(-24.68,0) 2(24.68,0)
  silkscreen extent -40,-33 40,33, body extent -44,-22 44,22, height 10
FP-GRM188-0_2-IPC_C [mil]
  rect 35.63x35.68 smd: 1(-23.64,0) 2(23.64,0)
  silkscreen extent -41,-35 41,35, body extent -45,-24 45,24, height 10
FP-LTST-S270KSKT-MFG [mm]
  rect 1.1x1.1 smd: 1(-1,-0.235) 2(1,-0.235)
  silkscreen extent -2.22,-0.63 0.65,0.7, body extent -1.65,-0.88 1.65,0.72, height 0.25
FP-RC1206-MFG [mm]
  rect 1x1.5 smd: 1(-1.6,0) 2(1.6,0)
  silkscreen extent -0.72,-0.85 0.72,0.85, body extent -2.2,-0.95 2.2,0.95, height 0.25
FP-TSM-102-01-T-SV-TR-MFG [mm]
  rect 1.27x3.43 smd paste+0 mask+0: 1(-1.27,1.46) 2(1.27,-1.46)
  silkscreen extent -2.54,-1.34 2.54,3.85, body extent -2.64,-3.27 2.64,3.27, height 0.25
FP-TSW-108-08-G-S-MFG [mm]
  rect 1.57x1.57 hole 1.02: 1(-8.89,0)
  round 1.57 hole 1.02: 2(-6.35,0) 3(-3.81,0) 4(-1.27,0) 5(1.27,0) 6(3.81,0) 7(6.35,0) 8(8.89,0)
  silkscreen extent -11.08,-1.34 10.35,1.34
FREE-QFN-16_V [mm] "QFN, 16-Leads, Body 3x3mm, Pitch 0.5mm"
  rect 0.813x0.305 smd: 1(-1.275,1) 2(-1.275,0.5) 3(-1.275,0) 4(-1.275,-0.5) 5(-1.275,-1) 9(1.275,-1) 10(1.275,-0.5) 11(1.275,0) 12(1.275,0.5) 13(1.275,1)
  rect 0.305x0.813 smd: 6(-0.5,-1.275) 7(0,-1.275) 8(0.5,-1.275) 14(0.5,1.275) 15(0,1.275) 16(-0.5,1.275)
  silkscreen extent -2.43,-1.65 1.65,1.65, body extent -1.5,-1.5 1.5,1.5, height 1
HDR1X6 [mm] "Connector; Header; 6 Position"
  rect 1.5x1.5 hole 0.9: 1(0,0)
  round 1.5 hole 0.9: 2(2.54,0) 3(5.08,0) 4(7.62,0) 5(10.16,0) 6(12.7,0)
  silkscreen extent -1.27,-1.27 13.97,1.27
LIRD-LI0805H151R-10-2_V [mm] "Chip, 2-Leads, Body 2.2x1.45mm"
  rect 1.285x1.47 smd: 1(-0.972,0) 2(0.972,0)
  body extent -1.1,-0.72 1.1,0.73, height 1.1
MODULE_ESP32-DEVKITC-32D [mm]
  rect 1.56x1.56 hole 1.04: 1(-12.7,19.76)
  round 1.56 hole 1.04: 2(-12.7,17.22) 3(-12.7,14.68) 4(-12.7,12.14) 5(-12.7,9.6) 6(-12.7,7.06) 7(-12.7,4.52) 8(-12.7,1.98) 9(-12.7,-0.56) 10(-12.7,-3.1) 11(-12.7,-5.64) 12(-12.7,-8.18) 13(-12.7,-10.72) 14(-12.7,-13.26) 15(-12.7,-15.8) 16(-12.7,-18.34) 17(-12.7,-20.88) 18(-12.7,-23.42) 19(-12.7,-25.96) 20(12.7,19.76) 21(12.7,17.22) 22(12.7,14.68) 23(12.7,12.14) 24(12.7,9.6) 25(12.7,7.06) 26(12.7,4.52) 27(12.7,1.98) 28(12.7,-0.56) 29(12.7,-3.1) 30(12.7,-5.64) 31(12.7,-8.18) 32(12.7,-10.72) 33(12.7,-13.26) 34(12.7,-15.8) 35(12.7,-18.34) 36(12.7,-20.88) 37(12.7,-23.42) 38(12.7,-25.96)
  silkscreen extent -13.95,-27.25 13.95,27.15
MOLX-67503-1020_V [mm] "Mini USB Connector, SMT, Righer Angle"
  rrect50% 2.8x0.5 smd: 1(0,0) 2(0,-0.8) 3(0,-1.6) 4(0,-2.4) 5(0,-3.2)
  rrect50% 3.5x2.05 smd: 6(0.025,3.325) 8(0.025,-6.525)
  rrect50% 4x2.05 smd: 7(-4.225,3.325) 9(-4.225,-6.525)
  round 0.9 hole 0.9 unplated: X(-2.325,-3.8) Y(-2.325,0.6)
  silkscreen extent -8.25,-4.85 2,1.65, body extent -8.22,-6.56 0.78,3.34, height 3.95
QFP50P1200X1200X160-64N [mm]
  rect 1.475x0.3 smd: 1(-5.738,3.75) 2(-5.738,3.25) 3(-5.738,2.75) 4(-5.738,2.25) 5(-5.738,1.75) 6(-5.738,1.25) 7(-5.738,0.75) 8(-5.738,0.25) 9(-5.738,-0.25) 10(-5.738,-0.75) 11(-5.738,-1.25) 12(-5.738,-1.75) 13(-5.738,-2.25) 14(-5.738,-2.75) 15(-5.738,-3.25) 16(-5.738,-3.75) 33(5.738,-3.75) 34(5.738,-3.25) 35(5.738,-2.75) 36(5.738,-2.25) 37(5.738,-1.75) 38(5.738,-1.25) 39(5.738,-0.75) 40(5.738,-0.25) 41(5.738,0.25) 42(5.738,0.75) 43(5.738,1.25) 44(5.738,1.75) 45(5.738,2.25) 46(5.738,2.75) 47(5.738,3.25) 48(5.738,3.75)
  rect 0.3x1.475 smd: 17(-3.75,-5.738) 18(-3.25,-5.738) 19(-2.75,-5.738) 20(-2.25,-5.738) 21(-1.75,-5.738) 22(-1.25,-5.738) 23(-0.75,-5.738) 24(-0.25,-5.738) 25(0.25,-5.738) 26(0.75,-5.738) 27(1.25,-5.738) 28(1.75,-5.738) 29(2.25,-5.738) 30(2.75,-5.738) 31(3.25,-5.738) 32(3.75,-5.738) 49(3.75,5.738) 50(3.25,5.738) 51(2.75,5.738) 52(2.25,5.738) 53(1.75,5.738) 54(1.25,5.738) 55(0.75,5.738) 56(0.25,5.738) 57(-0.25,5.738) 58(-0.75,5.738) 59(-1.25,5.738) 60(-1.75,5.738) 61(-2.25,5.738) 62(-2.75,5.738) 63(-3.25,5.738) 64(-3.75,5.738)
  silkscreen extent -6.35,-4.65 4.65,4.65, body extent -6,-6 6,6, height 1.6
RESC0603(1608)_L [mm] "Chip Resistor, Body 1.6x0.8mm, IPC High Density"
  rect 0.7x0.9 smd: 1(-0.7,0) 2(0.7,0)
  silkscreen extent -0.05,-0.35 0.05,0.35, body extent -0.85,-0.47 0.85,0.47, height 0.6
RESC0603(1608)_M [mm] "Chip Resistor, Body 1.6x0.8mm, IPC Low Density"
  rect 1.1x1.1 smd: 1(-0.9,0) 2(0.9,0)
  silkscreen extent -0.05,-0.45 0.05,0.45, body extent -0.85,-0.47 0.85,0.47, height 0.6
RESC1608X55X25LL10T15 [mm] "Chip Resistor, 2-Leads, Body 1.60x0.80mm, IPC High Density"
  rect 0.6x0.8 smd: 1(-0.65,0) 2(0.65,0)
  body extent -0.85,-0.45 0.85,0.45, height 0.55
RESC1608X55X30NL15T15 [mm] "Chip Resistor, 2-Leads, Body 1.60x0.80mm, IPC Medium Density"
  rect 0.8x0.95 smd: 1(-0.675,0) 2(0.675,0)
  body extent -0.87,-0.48 0.87,0.48, height 0.55
RESC1608X55X35LL10T10 [mm] "Chip Resistor, 2-Leads, Body 1.7x0.9mm, IPC High Density"
  rect 0.65x0.8 smd: 1(-0.625,0) 2(0.625,0)
  body extent -0.85,-0.45 0.85,0.45, height 0.55
RESC1609X50X30LL8T20 [mm] "Chip Resistor, 2-Leads, Body 1.65x0.95mm, IPC High Density"
  rect 0.7x0.85 smd: 1(-0.6,0) 2(0.6,0)
  body extent -0.82,-0.48 0.82,0.48, height 0.5
RESC1609X50X30ML10T20 [mm] "Chip Resistor, 2-Leads, Body 1.55x0.85mm, IPC Low Density"
  rect 0.9x1.05 smd: 1(-0.675,0) 2(0.675,0)
  body extent -0.82,-0.48 0.82,0.48, height 0.5
RESC1609X50X30NL10T20 [mm] "Chip Resistor, 2-Leads, Body 1.55x0.85mm, IPC Medium Density"
  rect 0.8x0.95 smd: 1(-0.625,0) 2(0.625,0)
  body extent -0.82,-0.48 0.82,0.48, height 0.5
RESC2013X50X30LL20T20 [mm] "Chip Resistor, 2-Leads, Body 2.00x1.25mm, IPC High Density"
  rect 0.85x1.35 smd: 1(-0.825,0) 2(0.825,0)
  silkscreen extent -0.1,-0.58 0.1,0.58, body extent -1.1,-0.72 1.1,0.72, height 0.5
RESC3216X70X50NL05T20 [mm] "Chip Resistor, 2-Leads, Body 3.20x1.60mm, IPC Medium Density"
  rect 1.1x1.65 smd: 1(-1.425,0) 2(1.425,0)
  silkscreen extent -0.5,-0.72 0.5,0.72, body extent -1.63,-0.82 1.62,0.82, height 0.7
SC70-LB3_N [mm] "SOT323, 3-Leads, Body 2.0x1.3mm, Pitch 0.65mm, Lead Span 2.1mm, IPC Medium Density"
  rect 1.2x0.5 smd: 1(-0.95,0.65) 2(-0.95,-0.65) 3(0.95,0)
  silkscreen extent -1.07,-1.15 0.68,1.57, body extent -0.67,-1.12 0.68,1.13, height 1.1
SMTC-TSM-103-01-X-SH-A [mm] "Terminal Strip Single Surface Mount, 1x3 Pins, Horizontal, 2.54mm Pitch, Male"
  rect 1.27x3.18 smd: 1(-2.54,-5.402) 2(0,-5.402) 3(2.54,-5.402)
  round 1.48 hole 1.78 unplated: MH1(-1.27,-0.122) MH2(1.27,-0.122)
  silkscreen extent -3.81,-7.67 3.81,1.15
SOIC-SN8_L [mm] "SOIC, 8-Leads, Body 4.9x3.9mm, Pitch 1.27mm, IPC High Density"
  oval 1.9x0.6 smd: 1(-2.35,1.905) 2(-2.35,0.635) 3(-2.35,-0.635) 4(-2.35,-1.905) 5(2.35,-1.905) 6(2.35,-0.635) 7(2.35,0.635) 8(2.35,1.905)
  silkscreen extent -2.47,-2.5 1,2.88, body extent -2,-2.5 2,2.5, height 1.75
SOT23-5L_N [mm] "SOT23, 5-Leads, Body 2.9x1.6mm, Pitch 0.95mm, Lead Span 2.8mm, IPC Medium Density"
  rect 1.1x0.65 smd: 1(-1.2,0.95) 2(-1.2,0) 3(-1.2,-0.95) 4(1.2,-0.95) 5(1.2,0.95)
  silkscreen extent -1.32,-1.5 0.25,1.95, body extent -0.87,-1.5 0.87,1.5, height 1.45
SOT95P280X145-5N [mm]
  rect 1.2x0.6 smd: 1(-1.25,0.95) 2(-1.25,0) 3(-1.25,-0.95) 4(1.25,-0.95) 5(1.25,0.95)
  silkscreen extent -1.85,-1.45 0.3,1.5, body extent -1.4,-1.45 1.4,1.45, height 1.45
TECO-FSM4JSMATR_V [mm] "SMD, 4-Leads, Body 6x6mm, Pitch 4.5mm"
  rect 1.4x2.1 smd: 1(2.25,4.55) 2(2.25,-4.55) 3(-2.25,4.55) 4(-2.25,-4.55)
  silkscreen extent -3,-3 3.63,4.67, body extent -3,-5 3,5, height 5.08
TI-DGS10_N [mm] "SOP, 10-Leads, Body 3x3mm, Pitch 0.5mm, IPC Medium Density"
  oval 1.7x0.3 smd: 1(-2.05,1) 2(-2.05,0.5) 3(-2.05,0) 4(-2.05,-0.5) 5(-2.05,-1) 6(2.05,-1) 7(2.05,-0.5) 8(2.05,0) 9(2.05,0.5) 10(2.05,1)
  silkscreen extent -2.17,-1.55 0.8,1.82, body extent -1.55,-1.55 1.55,1.55, height 1.1
X5+1_N [mm] "SOT353, 5-Leads, Body 2x1.3mm, Pitch 0.65mm, Lead Span 2.1mm, IPC Medium Density"
  rect 0.85x0.4 smd: 1(-0.95,0.65) 3(-0.95,-0.65) 4(0.95,-0.65) 5(0.95,0.65)
  rect 0.838x0.381 smd: 2(-0.95,0)
  silkscreen extent -1.07,-1.1 0.15,1.52, body extent -0.67,-1.1 0.68,1.1, height 1.1